# Altium PCB SINA33D3.0.PcbDoc (part 1 of 3) (continued)
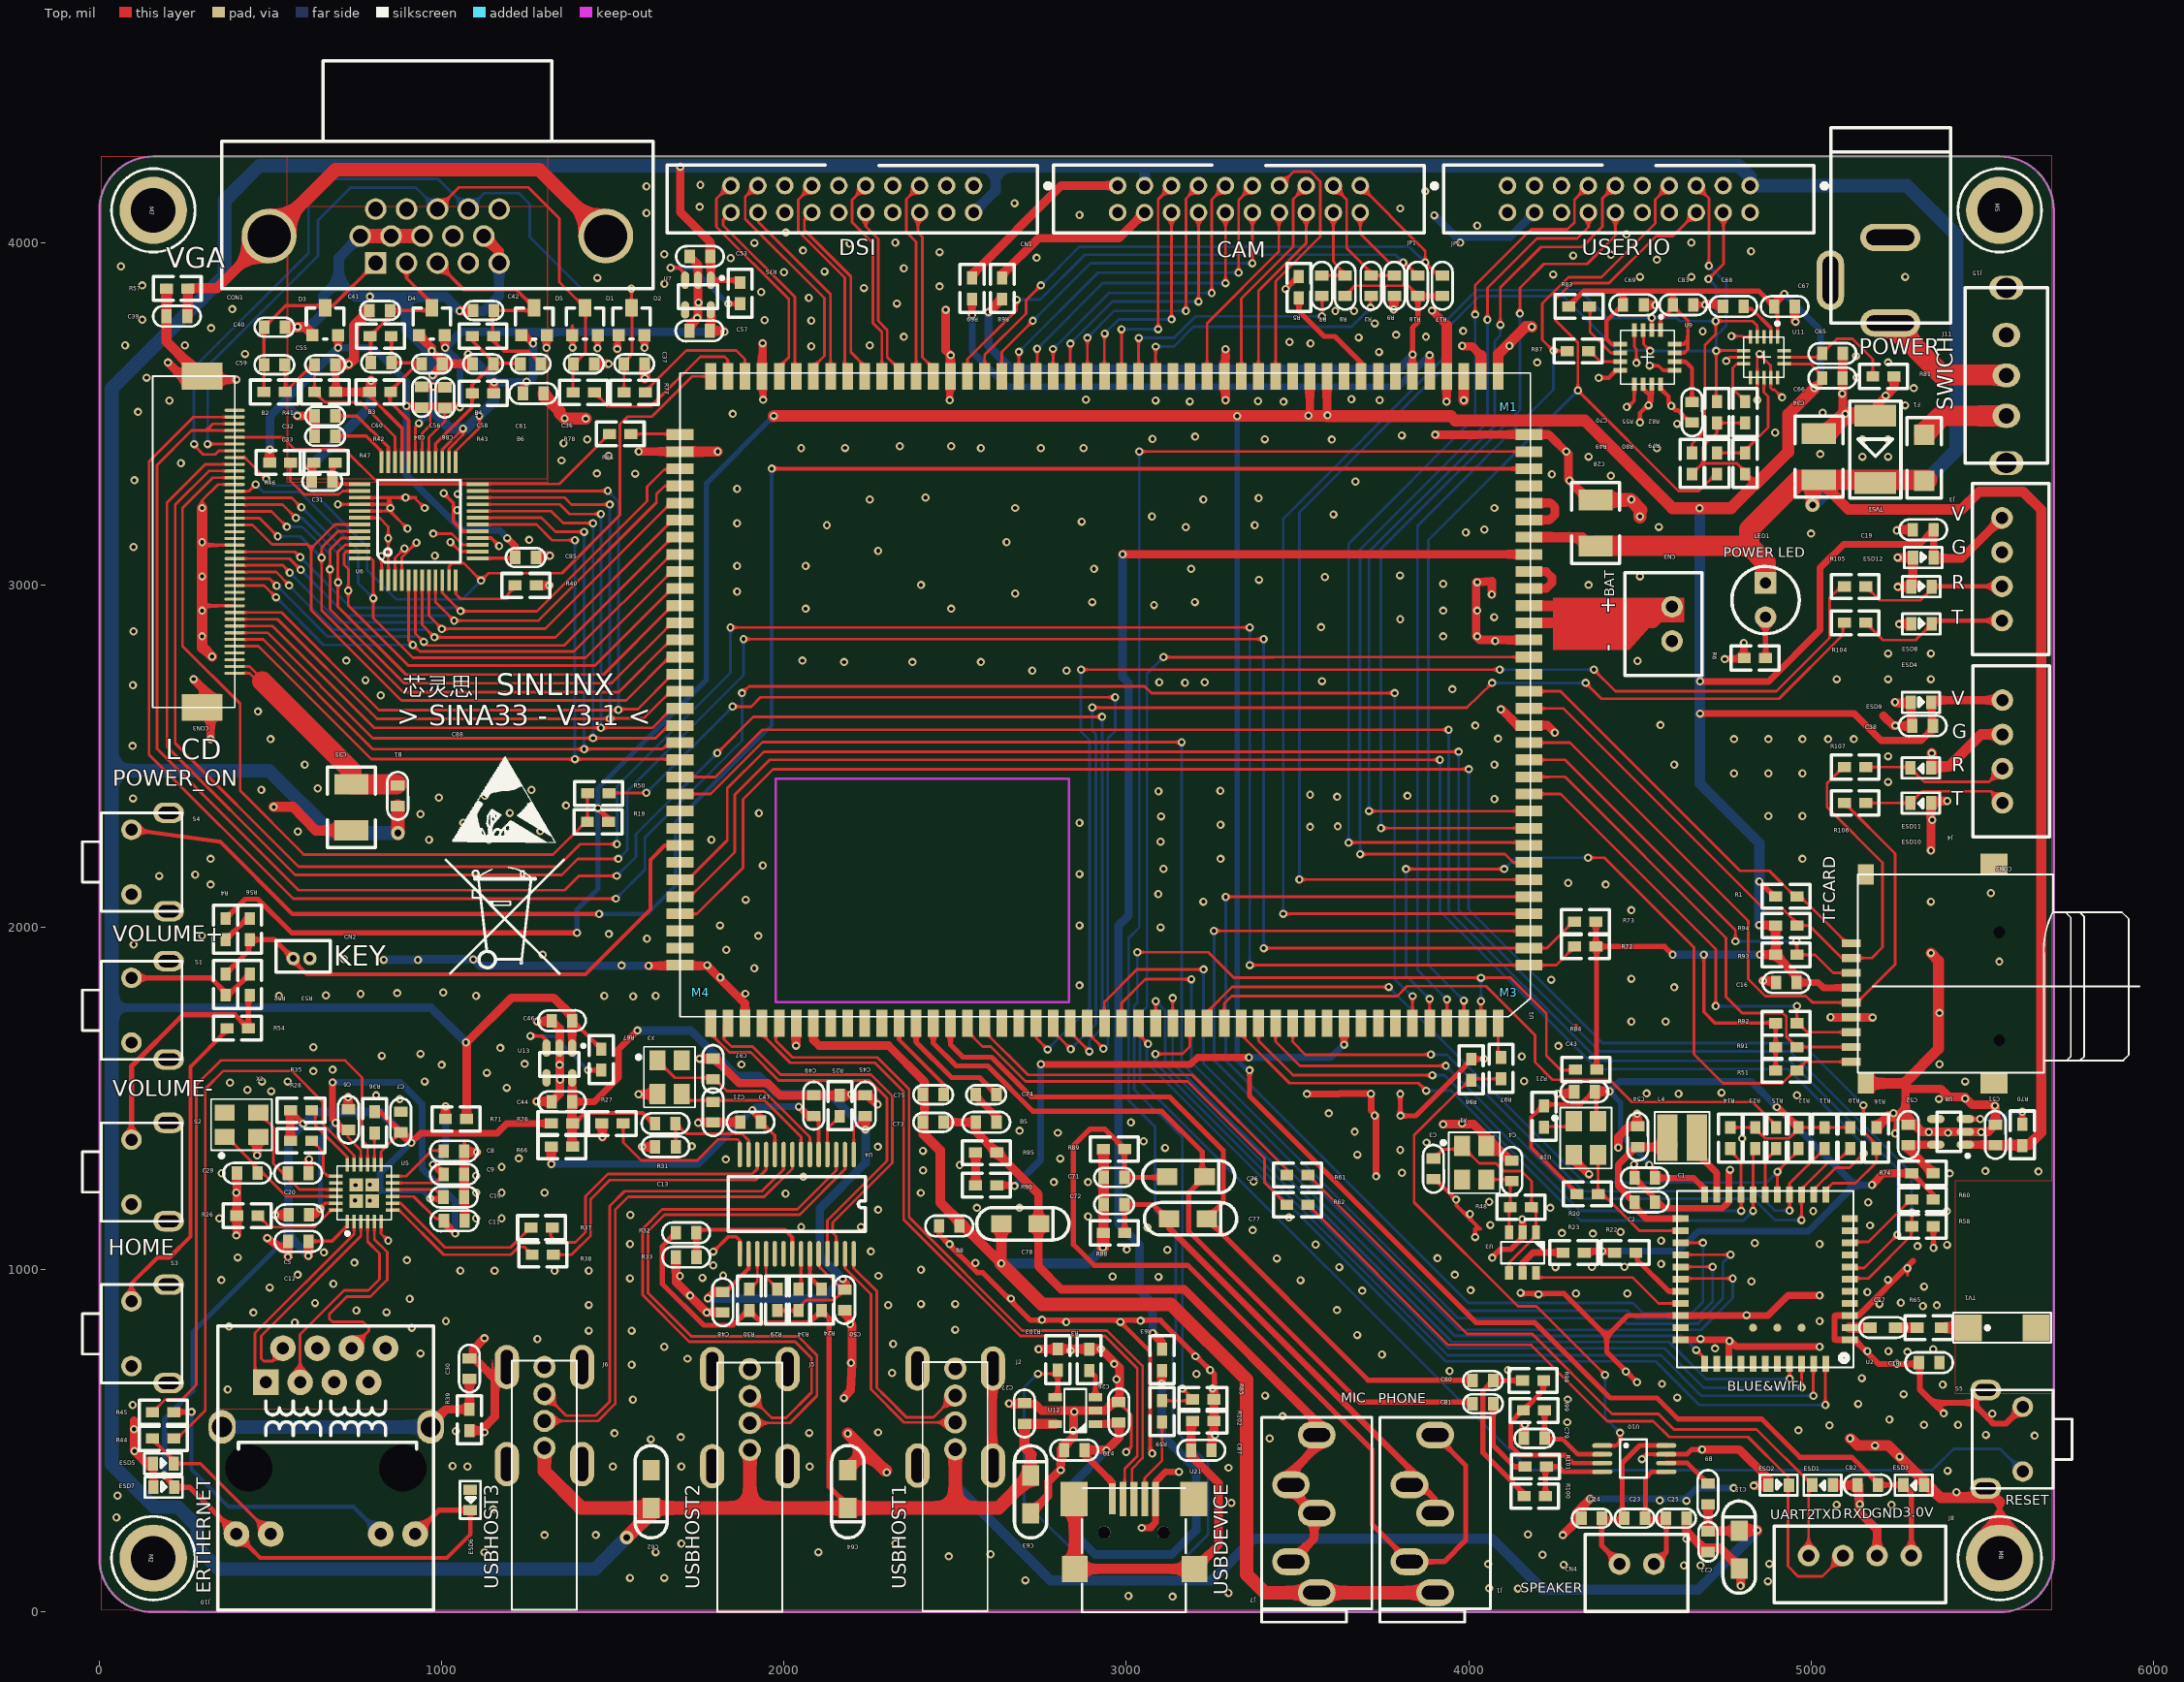
[diagram p0: Top view]
## Footprints (in the part's own frame and the unit in brackets; to place one, negate y for a bottom-side part, rotate by r counter-clockwise, add the part's x,y. Pads: shape width x height; smd on the part's side, far side on the other; paste and mask are expansions set on the pad) (continued)
ANTI [mm]
  rrect0% 2x2 smd: 1(0,0) 2(0,-5)
  silkscreen extent -1.09,-6.12 1.12,1.12
C_0603 [mm]
  rect 0.8x1 smd: 1(-0.77,0) 2(0.77,0)
  silkscreen extent -1.46,-0.7 1.47,0.7
CD35 [mil]
  rect 60.12x135.98 smd: 1(-43,0.06) 2(43,0.06)
  silkscreen extent -80,-75 80,75
CON2-2.0D [mm]
  round 1 hole 0.5: 1(-1.25,0) 2(0,0)
  silkscreen extent -2.5,-1 1.5,1.32
CON2-2.54D [mm]
  round 1.6 hole 0.9: 1(0,0) 2(2.54,0)
  silkscreen extent -2.54,-3.5 5.08,2.2
CON4-2.54D [mm]
  round 1.6 hole 0.9: 1(-5.08,0) 2(-2.54,0) 3(0,0) 4(2.54,0)
  silkscreen extent -7.62,-3.5 5.08,2.2
DO-214AB [mm]
  rect 1.6x3.1 smd: 1(-2.5,0) 2(2.5,0)
  silkscreen extent -3.6,-1.9 3.6,1.9
DWK07MM [mm]
  round 0 hole 0.7 unplated: 1(0,0)
FPC40 [mil]
  oval 9x60 smd: 1(0,0) 2(19.69,0) 3(39.37,0) 4(59.06,0) 5(78.74,0) 6(98.43,0) 7(118.11,0) 8(137.8,0) 9(157.48,0) 10(177.17,0) 11(196.85,0) 12(216.54,0) 13(236.22,0) 14(255.91,0) 15(275.59,0) 16(295.28,0) 17(314.96,0) 18(334.65,0) 19(354.33,0) 20(374.02,0) 21(393.7,0) 22(413.39,0) 23(433.07,0) 24(452.76,0) 25(472.44,0) 26(492.13,0) 27(511.81,0) 28(531.5,0) 29(551.18,0) 30(570.87,0) 31(590.55,0) 32(610.24,0) 33(629.92,0) 34(649.61,0) 35(669.29,0) 36(688.98,0) 37(708.66,0) 38(728.35,0) 39(748.03,0) 40(767.72,0)
  rect 78.74x118.11 smd: 41(-100,95) 42(867.72,95)
  silkscreen extent -100,0 868,240
HAND_LOGO_TOP [mil]
  silkscreen extent -117,-127 185,124
IDC20S [mm]
  round 1.3 hole 0.8: 1(0.01,-0.025) 2(0.01,1.975) 3(2.01,-0.025) 4(2.01,1.975) 5(4.01,-0.025) 6(4.01,1.975) 7(6.01,-0.025) 8(6.01,1.975) 9(8.01,-0.025) 10(8.01,1.975) 11(10.01,-0.025) 12(10.01,1.975) 13(12.01,-0.025) 14(12.01,1.975) 15(14.01,-0.025) 16(14.01,1.975) 17(16.01,-0.025) 18(16.01,1.975) 19(18.01,-0.025) 20(18.01,1.975)
  silkscreen extent -5.65,-1.55 22.76,3.47
JACK-2.5MM_B [mil]
  oval 175x80 hole 45 slot 140 at 0 deg: 1(0,0) 2(0,250)
  oval 80x175 hole 45 slot 140 at 90 deg: 3(-175,125)
  silkscreen extent -174,0 176,570
L3GD20HTR [mm]
  rect 0.35x1 smd paste-0.05: 1(0.975,2) 2(0.325,2) 3(-0.325,2) 4(-0.975,2) 9(-0.975,-2) 10(-0.325,-2) 11(0.325,-2) 12(0.975,-2)
  rect 1x0.35 smd paste-0.05: 5(-2,0.975) 6(-2,0.325) 7(-2,-0.325) 8(-2,-0.975) 13(2,-0.975) 14(2,-0.325) 15(2,0.325) 16(2,0.975)
  silkscreen extent -2,-2 2,3.1
LED_3MM [mm]
  rect 1.6x1.6 / inner round 1.6 / far side rect 1.6x1.6 hole 0.8: 1(0,1.27)
  round 1.6 hole 0.8: 2(0,-1.27)
  silkscreen extent -2.5,-2.5 2.5,2.5
LED_0603 [mil]
  rect 30x40 smd: 1(0.31,0.44) 2(60.31,0.44)
  silkscreen extent -25,-30 85,31
LGA-16 [mm]
  rect 0.25x1 smd: 1(1,1.5) 2(0.5,1.5) 3(0,1.5) 4(-0.5,1.5) 5(-1,1.5) 9(-1,-1.5) 10(-0.5,-1.5) 11(0,-1.5) 12(0.5,-1.5) 13(1,-1.5)
  rect 1x0.25 smd: 6(-1.5,0.5) 7(-1.5,0) 8(-1.5,-0.5) 14(1.5,-0.5) 15(1.5,0) 16(1.5,0.5)
  silkscreen extent -1.5,-1.5 1.5,2.6
LQFP48 [mm]
  rect 0.279x1.6 smd: 1(-2.75,-4.375) 2(-2.25,-4.375) 3(-1.75,-4.375) 4(-1.25,-4.375) 5(-0.75,-4.375) 6(-0.25,-4.375) 7(0.25,-4.375) 8(0.75,-4.375) 9(1.25,-4.375) 10(1.75,-4.375) 11(2.25,-4.375) 12(2.75,-4.375) 25(2.75,4.375) 26(2.25,4.375) 27(1.75,4.375) 28(1.25,4.375) 29(0.75,4.375) 30(0.25,4.375) 31(-0.25,4.375) 32(-0.75,4.375) 33(-1.25,4.375) 34(-1.75,4.375) 35(-2.25,4.375) 36(-2.75,4.375)
  rect 1.6x0.279 smd: 13(4.38,-2.745) 14(4.38,-2.245) 15(4.38,-1.745) 16(4.38,-1.245) 17(4.38,-0.745) 18(4.38,-0.245) 19(4.38,0.255) 20(4.38,0.755) 21(4.38,1.255) 22(4.38,1.755) 23(4.38,2.255) 24(4.38,2.755) 37(-4.38,2.755) 38(-4.38,2.255) 39(-4.38,1.755) 40(-4.38,1.255) 41(-4.38,0.755) 42(-4.38,0.255) 43(-4.38,-0.245) 44(-4.38,-0.745) 45(-4.38,-1.245) 46(-4.38,-1.745) 47(-4.38,-2.245) 48(-4.38,-2.745)
  round 0 all layers, no hole: 49(0,0) 50(0,0)
  silkscreen extent -3.05,-3.05 3.1,3.05
MEMO_HOLD_TFRPN_00815_TP01 [mm]
  rect 0.6x1.4 smd: 1(5.1,-0.5) 2(6.2,-0.5) 3(7.3,-0.5) 4(8.4,-0.5) 5(9.5,-0.5) 6(10.6,-0.5) 7(11.7,-0.5) 8(12.8,-0.5) 9(13.9,-0.5)
  rect 1.5x1.2 smd: 10(15.5,0.6) 11(0,0.6)
  rect 1.5x2 smd: 12(15.5,10.1) 13(-0.8,10.1)
  round 0.1 hole 0.889 unplated: 14(4.3,10.5) 15(12.3,10.5)
  silkscreen extent 0,0 14.7,20.9
OSC3225 [mm]
  rect 1.5x1.2 smd: 1(0,0) 2(2.5,1.8) 3(2.5,0) 4(0,1.8)
  silkscreen extent -1,-1.53 3.5,2.8
OSC3225A [mm]
  rect 1.5x1.2 smd: 1(0,0) 2(2.5,0) 3(2.5,1.8) 4(0,1.8)
  silkscreen extent -1,-1.53 3.5,2.8
OSC3225B [mm]
  rect 1.5x1.2 smd: 1(0,0) 2(2.5,0) 3(2.5,1.8) 4(0,1.8)
  silkscreen extent -1,-1.53 3.5,2.8
OSC3225C [mm]
  rect 1.5x1.2 smd: 1(0,0) 2(2.5,0) 3(2.5,1.8) 4(0,1.8)
  silkscreen extent -1,-1.53 3.5,2.8
PHONE1 [mm]
  oval 2x2.8 hole 1 slot 2 at 90 deg: 1(-11.7,0) 2(-2.3,-1.91) 3(-8,-1.91) 4(-5.9,0) 5(0,0)
  silkscreen extent -13,-4.09 2.18,4.09
QFN24 [mm]
  rect 0.25x1 smd paste-0.025: 1(1.25,2.1) 2(0.75,2.1) 3(0.25,2.1) 4(-0.25,2.1) 5(-0.75,2.1) 6(-1.25,2.1) 13(-1.25,-2.1) 14(-0.75,-2.1) 15(-0.25,-2.1) 16(0.25,-2.1) 17(0.75,-2.1) 18(1.25,-2.1)
  rect 1x0.25 smd paste-0.025: 7(-2.1,1.25) 8(-2.1,0.75) 9(-2.1,0.25) 10(-2.1,-0.25) 11(-2.1,-0.75) 12(-2.1,-1.25) 19(2.1,-1.25) 20(2.1,-0.75) 21(2.1,-0.25) 22(2.1,0.25) 23(2.1,0.75) 24(2.1,1.25)
  rrect0% 1x1 smd: 25(0.6,0.6) 26(-0.6,0.6) 27(-0.6,-0.6) 28(0.6,-0.6)
  silkscreen extent -2,-2 2,3.1
RJ-45A12 [mm]
  rect 1.905x1.905 hole 0.9: 1(0,0)
  round 1.905 hole 0.9: 2(-2.54,1.27) 3(0,2.54) 4(-2.54,3.81) 5(0,5.08) 6(-2.54,6.35) 7(0,7.62) 8(-2.54,8.89) 9(11.25,-2.18) 10(11.25,0.36) 11(11.25,8.53) 12(11.25,11.07)
  oval 2.5x2 hole 1.5: 13(3.3,-3.25) 14(3.3,12.23)
  round 3.302 hole 3.5: 15(6.35,-1.27) 16(6.35,10.16)
  silkscreen extent -4.19,-3.56 16.89,12.45
RST_KEY [mil]
  round 60 hole 35: 1(88.58,49.21) 2(88.58,238.19)
  oval 90x60 hole 35 slot 60 at 0 deg: 3(196.85,287.4) 4(196.85,0)
  silkscreen extent -55,0 236,287
RTL8723BS [mm]
  rect 1.2x0.5 smd: 1(-6.27,4.5) 2(-6.27,3.6) 3(-6.27,2.7) 4(-6.27,1.8) 5(-6.27,0.9) 6(-6.27,0) 7(-6.27,-0.9) 8(-6.27,-1.8) 9(-6.27,-2.7) 10(-6.27,-3.6) 11(-6.27,-4.5) 23(6.27,-4.5) 24(6.27,-3.6) 25(6.27,-2.7) 26(6.27,-1.8) 27(6.27,-0.9) 28(6.27,0) 29(6.27,0.9) 30(6.27,1.8) 31(6.27,2.7) 32(6.27,3.6) 33(6.27,4.5)
  rect 0.5x1.2 smd: 12(-4.5,-6.27) 13(-3.6,-6.27) 14(-2.7,-6.27) 15(-1.8,-6.27) 16(-0.9,-6.27) 17(0,-6.27) 18(0.9,-6.27) 19(1.8,-6.27) 20(2.7,-6.27) 21(3.6,-6.27) 22(4.5,-6.27) 34(4.5,6.27) 35(3.6,6.27) 36(2.7,6.27) 37(1.8,6.27) 38(0.9,6.27) 39(0,6.27) 40(-0.9,6.27) 41(-1.8,6.27) 42(-2.7,6.27) 43(-3.6,6.27) 44(-4.5,6.27)
  round 0.6 smd: 45(-2.7,3.6) 46(-0.9,3.6) 47(0.9,3.6)
  silkscreen extent -6.55,-6.55 6.55,6.55
SO8NB [mm]
  oval 0.35x1.5 smd: 1(-0.975,-2.375) 2(-0.325,-2.375) 3(0.325,-2.375) 4(0.975,-2.375) 5(0.975,2.375) 6(0.325,2.375) 7(-0.325,2.375) 8(-0.975,2.375)
  silkscreen extent -1.45,-1.04 1.4,0.91
SOT23 [mil]
  rect 36x36 smd: 1(-37.5,-80) 2(37.5,-80)
  rect 36x50 smd: 3(0,0)
  silkscreen extent -55,-91 55,-1
SOT23-6 [mm]
  rect 1.016x0.6 smd: 1(0,0) 2(0,1) 3(0,2) 4(-3,2) 5(-3,1) 6(-3,0)
  silkscreen extent -2.3,-0.6 -0.7,2.6
SOT-25 [mm]
  rect 1.016x0.6 smd: 1(0,0) 2(0,1) 3(0,2) 4(-3,2) 5(-3,0)
  silkscreen extent -2.3,-0.6 -0.7,2.6
SSOP28 [mil]
  oval 75x13 smd: 1(-145,166.4) 2(-145,140.8) 3(-145,115.2) 4(-145,89.6) 5(-145,64) 6(-145,38.4) 7(-145,12.8) 8(-145,-12.8) 9(-145,-38.4) 10(-145,-64) 11(-145,-89.6) 12(-145,-115.2) 13(-145,-140.8) 14(-145,-166.4) 15(145,-166.4) 16(145,-140.8) 17(145,-115.2) 18(145,-89.6) 19(145,-64) 20(145,-38.4) 21(145,-12.8) 22(145,12.8) 23(145,38.4) 24(145,64) 25(145,89.6) 26(145,115.2) 27(145,140.8) 28(145,166.4)
  silkscreen extent -80,-200 80,200
SW_PB5 [mil]
  oval 70x80 hole 45: 1(118.11,0) 2(0,0) 3(-118.11,0)
  oval 70x100 hole 60: 4(255.91,0) 5(-255.91,0)
  silkscreen extent -256,-120 256,120
USB$5C$S [mm]
  rect 0.508x2.3 smd: 1(1.6,-8.4)
  rect 0.508x2.54 smd: 2(0.8,-8.4) 3(0,-8.4) 4(-0.8,-8.4) 5(-1.6,-8.4)
  rect 2.032x2.54 smd: 6(4.445,-8.4) 9(-4.445,-8.4)
  rect 1.9x1.95 smd: 7(-4.5,-3.2) 8(4.4,-3.2)
  round 0.94 hole 0.94 unplated: 10(-2.2,-5.9) 11(2.2,-5.9)
  silkscreen extent -3.85,-9.2 3.85,0
USB-A8 [mil]
  round 65 hole 40: 1(0,-78.74) 2(0,0) 3(0,78.74) 4(0,157.48)
  oval 70.87x130 hole 35 slot 100 at 90 deg: 5(110,157.48) 6(-110,157.48) 7(-110,-125.98) 8(110,-125.98)
  silkscreen extent -95,-551 94,176
VGACONX [mm]
  rect 1.6x1.6 / inner round 1.6 / far side rect 1.6x1.6 hole 1.1: 1(4.58,0)
  round 1.6 hole 1.1: 2(2.29,0) 3(0,0) 4(-2.29,0) 5(-4.58,0) 6(5.725,-2) 7(3.435,-2) 8(1.145,-2) 9(-1.145,-2) 10(-3.435,-2) 11(4.58,-4) 12(2.29,-4) 13(0,-4) 14(-2.29,-4) 15(-4.58,-4)
  round 4.064 hole 3.2: 16(12.495,-2) 17(-12.495,-2)
  silkscreen extent -16,-14.99 16,1.9
XC6218B [mm]
  oval 0.6x1.3 smd: 1(-0.95,-1.1) 2(0,-1.1) 3(0.95,-1.1) 4(0.95,1.1) 5(-0.95,1.1)
  silkscreen extent -1.9,-1.39 1.45,1
YPK_158_1.27D [mm]
  rect 2x0.8 smd: 1(-60.71,-3.315) 2(-60.71,-4.585) 3(-60.71,-5.855) 4(-60.71,-7.125) 5(-60.71,-8.395) 6(-60.71,-9.665) 7(-60.71,-10.935) 8(-60.71,-12.205) 9(-60.71,-13.475) 10(-60.71,-14.745) 11(-60.71,-16.015) 12(-60.71,-17.285) 13(-60.71,-18.555) 14(-60.71,-19.825) 15(-60.71,-21.095) 16(-60.71,-22.365) 17(-60.71,-23.635) 18(-60.71,-24.905) 19(-60.71,-26.175) 20(-60.71,-27.445) 21(-60.71,-28.715) 22(-60.71,-29.985) 23(-60.71,-31.255) 24(-60.71,-32.525) 25(-60.71,-33.795) 26(-60.71,-35.065) 27(-60.71,-36.335) 28(-60.71,-37.605) 29(-60.71,-38.875) 30(-60.71,-40.145) 31(-60.71,-41.415) 32(-60.71,-42.685) 80(2.29,-42.685) 81(2.29,-41.415) 82(2.29,-40.145) 83(2.29,-38.875) 84(2.29,-37.605) 85(2.29,-36.335) 86(2.29,-35.065) 87(2.29,-33.795) 88(2.29,-32.525) 89(2.29,-31.255) 90(2.29,-29.985) 91(2.29,-28.715) 92(2.29,-27.445) 93(2.29,-26.175) 94(2.29,-24.905) 95(2.29,-23.635) 96(2.29,-22.365) 97(2.29,-21.095) 98(2.29,-19.825) 99(2.29,-18.555) 100(2.29,-17.285) 101(2.29,-16.015) 102(2.29,-14.745) 103(2.29,-13.475) 104(2.29,-12.205) 105(2.29,-10.935) 106(2.29,-9.665) 107(2.29,-8.395) 108(2.29,-7.125) 109(2.29,-5.855) 110(2.29,-4.585) 111(2.29,-3.315)
  rect 0.8x2 smd: 33(-58.42,-47) 34(-57.15,-47) 35(-55.88,-47) 36(-54.61,-47) 37(-53.34,-47) 38(-52.07,-47) 39(-50.8,-47) 40(-49.53,-47) 41(-48.26,-47) 42(-46.99,-47) 43(-45.72,-47) 44(-44.45,-47) 45(-43.18,-47) 46(-41.91,-47) 47(-40.64,-47) 48(-39.37,-47) 49(-38.1,-47) 50(-36.83,-47) 51(-35.56,-47) 52(-34.29,-47) 53(-33.02,-47) 54(-31.75,-47) 55(-30.48,-47) 56(-29.21,-47) 57(-27.94,-47) 58(-26.67,-47) 59(-25.4,-47) 60(-24.13,-47) 61(-22.86,-47) 62(-21.59,-47) 63(-20.32,-47) 64(-19.05,-47) 65(-17.78,-47) 66(-16.51,-47) 67(-15.24,-47) 68(-13.97,-47) 69(-12.7,-47) 70(-11.43,-47) 71(-10.16,-47) 72(-8.89,-47) 73(-7.62,-47) 74(-6.35,-47) 75(-5.08,-47) 76(-3.81,-47) 77(-2.54,-47) 78(-1.27,-47) 79(0,-47) 112(0,1) 113(-1.27,1) 114(-2.54,1) 115(-3.81,1) 116(-5.08,1) 117(-6.35,1) 118(-7.62,1) 119(-8.89,1) 120(-10.16,1) 121(-11.43,1) 122(-12.7,1) 123(-13.97,1) 124(-15.24,1) 125(-16.51,1) 126(-17.78,1) 127(-19.05,1) 128(-20.32,1) 129(-21.59,1) 130(-22.86,1) 131(-24.13,1) 132(-25.4,1) 133(-26.67,1) 134(-27.94,1) 135(-29.21,1) 136(-30.48,1) 137(-31.75,1) 138(-33.02,1) 139(-34.29,1) 140(-35.56,1) 141(-36.83,1) 142(-38.1,1) 143(-39.37,1) 144(-40.64,1) 145(-41.91,1) 146(-43.18,1) 147(-44.45,1) 148(-45.72,1) 149(-46.99,1) 150(-48.26,1) 151(-49.53,1) 152(-50.8,1) 153(-52.07,1) 154(-53.34,1) 155(-54.61,1) 156(-55.88,1) 157(-57.15,1) 158(-58.42,1)
  silkscreen extent -60.82,-47.24 2.29,0.5
ZPK [mm]
  round 5 hole 3.3: 1(0,0)
  silkscreen extent -3.1,-3.1 3.1,3.1

## Via types
v1: diameter 24, hole 12, Top to Bottom, 999 vias
v2: diameter 40, hole 20, Top to Bottom, 3 vias

## Nets (pads, with @x,y where several pads share a name; then routed paths per layer and width w, separated by ;. In a path a pad name is that pad's centre, name@x,y a point inside that pad or via, vN(x,y) a via of type N, cw(c..) or ccw(c..) an arc to the next point about the centre after c; other vN are vias at no path point)
$$$2638: F1.1 J15.3 | length 265.6
  Top w60: F1.1@5330.71,3439.16 5330.71,3444.49 5380.32,3494.1 J15.3@5570.48,3494.1
$$$2765: CON3.30 R19.1 R50.2 | length 2300.9
  Top w8: CON3.30@395.28,3313.39 330.91,3313.39 242.72,3225.2 242.72,2821.85 411.03,2653.55 411.03,2399.22 596.06,2214.18 596.06,2212.6 1325.2,2212.6 1420.87,2308.27 R19.1@1425.7,2308.27 1425.7,2390.16 R50.2@1426.88,2391.34
$$$3471: B1.2 C35.1 CON3.1 CON3.2 | length 766.3
  Top w8: CON3.1@395.28,2742.52 438.59,2742.52 472.45,2708.66 472.45,2716.14 475.2,2718.9 ; CON3.2@395.28,2762.21 438.59,2762.21 490.56,2710.24 490.56,2703.55
  Top w59.06: 475.2,2718.9 490.56,2703.55 735.83,2458.27 C35.1@735.83,2418.29
  Top w60: C35.1@735.83,2418.29 735.83,2418.11 B1.2@867.35,2418.11
$$$4689: R75.1 U7.3 | length 316.4
  Top w8: v1(1836.62,3821.26) v1@1836.72,3821.37
  Top w10: v1(1668.11,3926.77) 1693.31,3926.77 1711.03,3909.06 U7.3@1711.03,3890.16
  Top w12: v1@1836.72,3821.37 R75.1@1871.66,3821.37
  Bottom w15: v1(1668.11,3926.77) 1731.11,3926.77 v1(1836.62,3821.26)
$$$4924: C52.1 R74.2 U8.5 | length 193.7
  Top w8: C52.1@5284.21,1363.7 C52.1@5285.87,1365.36
  Top w23.62: C52.1@5285.87,1365.36 U8.5@5364.18,1365.36
  Top w25: C52.1@5284.21,1363.7 5283.08,1362.56 5283.08,1354.33 5302.84,1335.57 5302.92,1335.57 R74.2@5356.59,1281.89
$$$4925: R70.1 U8.3 | length 212.1
  Top w12: U8.3@5450.79,1440.16 v1(5494.09,1440.16)
  Top w15: R70.1@5617.32,1424.7 v1(5617.32,1461.42)
  Bottom w15: v1(5494.09,1440.16) 5561.42,1440.16 5582.28,1461.02 5616.93,1461.02 v1(5617.32,1461.42)
$$$4968: R25.2 U4.4 | length 127.1
  Top w8: U4.4@2126.61,1336.34 2126.61,1412.21 2162.54,1448.14 R25.2@2163,1448.14
$$$5097: R27.2 U4.14 | length 483.9
  Top w8: R27.2@1529.43,1427.17 1529.93,1405.41 1529.93,1372.05 1582.68,1319.29 1746.46,1319.29 1808.27,1381.11 1863.53,1381.11 1870.61,1374.02 U4.14@1870.61,1336.34
$$$5263: R29.2 U4.18 | length 124.3
  Top w8: U4.18@1947.41,1046.34 1947.41,977.56 1983.86,941.11 1982.16,941.11 R29.2@1980.71,942.81
$$$5264: R30.2 U4.17 | length 115.7
  Top w8: R30.2@1898.43,942.81 1898.43,941.58 1921.81,964.96 U4.17@1921.81,1046.34
$$$5837: R86.1 U1.80 | length 144.1
  Top w8: R86.1@1552.26,3441.34 1693.9,3441.34 U1.80@1695.67,3439.57
$$$5862: ESD5.2 J10.10 R44.2 | length 478.4
  Top w9.84: R44.2@155.22,507.48 156.31,510.71 156.31,503.15 ESD5.2@221.26,438.19 ; ESD5.2@221.26,438.17 ESD5.2@216.61,433.51 294.84,433.51 J10.10@500.4,227.96
$$$5922: J10.11 R45.2 | length 851.8
  Top w8: R45.2@217.22,583.86 R45.2@217.22,584.65
  Top w15.75: R45.2@217.22,584.65 v1(268.9,584.65)
  Bottom w11.81: v1(268.9,584.65) 268.9,416.54 377.95,307.48 742.53,307.48 J10.11@822.05,227.96
$$$6803: R77.1 U1.77 | length 404.9
  Top w8: R77.1@1594.39,3562.6 1594.39,3565.65 1714.18,3685.44 1859.85,3685.44 1885.83,3659.45 U1.77@1885.83,3609.45
$$$6804: R78.1 U1.78 | length 520.5
  Top w8: R78.1@1445.57,3562.6 1483.47,3524.7 1483.47,3521.66 1610.34,3521.66 1755.12,3666.44 1826.48,3666.44 1835.83,3657.09 U1.78@1835.83,3609.45
$$$8579: R52.1 R53.2 S1.2 | length 402.5
  Top w15: S1.2@93.7,1852.36 325.2,1852.36 R52.1@368.9,1808.67 ; R52.1@368.9,1802.07 R52.1@368.9,1808.67 ; R53.2@438.98,1864.07 374.51,1799.61 374.51,1803.05 372.2,1805.37 R52.1@368.9,1808.67
$$$8620: R53.1 R54.2 S2.2 | length 732.6
  Top w8: R53.1@434.94,1798.03 R53.1@438.98,1802.07
  Top w15: S2.2@93.7,1379.92 93.7,1557.48 93.7,1594.49 244.1,1744.88 395.57,1744.88 R54.2@434.94,1705.52 R53.1@434.94,1798.03
$$$8635: R54.1 S3.2 | length 934
  Top w12: S3.2@93.7,907.48 93.7,959.45 169.68,1035.44 204.34,1035.44 266.15,1097.25 266.15,1592.91 372.94,1699.71 R54.1@372.94,1705.52
$$$8848: R23.1 U3.5 | length 160.6
  Top w19.68: U3.5@4157.09,990.95 4157.09,1019.69 4188.19,1050.79 4274.91,1050.79 R23.1@4275.7,1050
$$$9315: R60.1 U2.9 | length 233.8
  Top w8: U2.9@5113,1078.74 5118.9,1078.74 5121.14,1080.99 5167.33,1080.99 5291.07,1204.73 R60.1@5294.59,1204.73
$$$9732: R15.1 U2.17 | length 147.7
  Top w8: U2.17@4866.15,1219.29 4866.15,1318.9 4896.85,1349.61 4896.85,1352.07 R15.1@4898.43,1353.65
$$$9891: R59.2 U21.4 | length 245.5
  Top w8: U21.4@3053.55,330.71 3053.55,363.71 3053.55,392.21 3104.33,442.99 3104.33,522.54 R59.2@3103.94,555.22
$$$9958: R40.1 U6.12 | length 242.8
  Top w8: U6.12@1040.95,3013.98 1040.95,2974.02 1055.52,2959.45 1190.16,2959.45 1190.16,2967.43 R40.1@1214.28,2998.82
$$$10463: L4.1 U2.21 | length 192.4
  Top w20: L4.1@4666.23,1385.77 4669.36,1385.77 4675.59,1379.53 4675.59,1331.89 4724.41,1283.07 U2.21@4724.41,1219.29
$$$10467: C2.2 C54.1 L4.2 U2.23 | length 512.1
  Top w20: C2.2@4484.22,1197.99 4484.74,1197.47 C2.2@4484.74,1196.16 ; C54.1@4493.66,1358.58 4488.5,1358.58 4437.01,1307.09 4437.01,1244.1 4465.64,1215.46 4465.64,1215.25 4483.57,1197.33 C2.2@4484.74,1196.16 ; U2.23@4619.3,1149.61 4518.51,1149.61 4484.74,1183.38 C2.2@4484.74,1196.16
  Top w25: C54.1@4493.66,1358.58 4598.82,1358.58 4598.82,1367.18 L4.2@4580.23,1385.77
$$$10563: R46.1 U6.38 | length 277
  Top w8: R46.1@558.96,3357.88 558.96,3353.15 558.08,3352.27 558.08,3304.33 598.04,3264.37 699.61,3264.37 710.24,3275 U6.38@760.24,3275
$$$10644: C31.2 R47.1 U6.37 | length 148.8
  Top w8: C31.2@681.11,3294.69 C31.2@681.11,3303.15 ; R47.1@681.11,3357.09 681.89,3357.88 R47.1@688.09,3357.88
  Top w10: C31.2@681.11,3294.69 U6.37@760.24,3294.69
  Top w15: C31.2@681.11,3303.15 R47.1@681.11,3357.09
$$$10940: C32.2 U6.35 | length 236.5
  Top w10: C32.2@689.37,3493.7 752.76,3493.7 844.1,3402.37 U6.35@844.1,3358.47
$$$10942: C33.2 U6.36 | length 185.4
  Top w10: C33.2@689.37,3434.26 690.16,3435.04 779.14,3435.04 824.41,3389.77 U6.36@824.41,3358.47
$$$11028: R20.1 U2.24 U18.3 | length 405.7
  Top w8: U18.3@4377.56,1335.44 4377.85,1335.14 R20.1@4377.85,1221.26 4384.66,1228.07 4498.56,1114.18 U2.24@4619.3,1114.18
$$$11083: R22.2 U2.29 | length 189.6
  Top w15: R22.2@4488.09,1050 4492.52,1048.72 4492.52,1028.35 4583.86,937.01 U2.29@4619.3,937.01
$$$11749: C68.1 U11.2 | length 132
  Top w10: C68.1@4802.84,3813.74 4810.28,3806.3 4827.17,3806.3 4881.89,3751.58 U11.2@4881.89,3724.41
$$$11930: R82.2 U11.8 | length 154.4
  Top w8: U11.8@4803.15,3645.67 4782.68,3645.67 4771.26,3634.26 4771.26,3573.23 4808.27,3536.22 4807.43,3535.39 4807.38,3535.33 4806.3,3534.26 R82.2@4807.48,3535.33
$$$12498: R79.2 R80.1 U11.11 | length 335.2
  Top w8: R80.1@4725.2,3386.12 R79.2@4807.48,3386.12 4807.48,3392.92 4874.41,3459.85 4874.41,3550.4 4863,3561.81 4863,3562.21 4862.21,3563 U11.11@4862.21,3606.3
$$$12547: LED1.2 R6.1 | length 119.2
  Top w8: LED1.2@4866.93,2906.11 LED1.2@4867.22,2905.82
  Top w15: R6.1@4867.22,2787.01 LED1.2@4867.22,2905.82
$$$12836: C65.2 R81.2 U11.15 | length 364.1
  Top w8: U11.15@4921.26,3665.36 5033.86,3665.36 5033.86,3675.08 C65.2@5032.61,3676.33 5075.18,3718.9 5120.87,3718.9 5180.42,3659.35 R81.2@5180.42,3609.45
$$$13018: R32.2 R33.1 U4.21 | length 415.4
  Top w11: R32.2@1743.78,1107.92 R32.2@1744.18,1107.52 ; R32.2@1744.18,1104.33 R32.2@1744.18,1107.52 ; U4.21@2024.21,1046.34 2024.21,1094.49 2002.37,1116.34 1747.25,1116.34 1744.18,1113.27 R32.2@1744.18,1107.52
  Top w15: R33.1@1744.18,1036.96 R32.2@1744.18,1104.33
$$$13123: R26.2 U5.24 | length 268.3
  Top w8: R26.2@462.89,1157.88 460.24,1155.22 460.24,1154.33 466.93,1154.33 496.46,1124.81 628.35,1124.81 678.35,1174.81 U5.24@690.95,1174.81
$$$13227: R28.2 U5.19 | length 146.8
  Top w8: R28.2@619.98,1376.77 653.55,1343.21 653.55,1287.01 667.33,1273.23 U5.19@690.95,1273.23
$$$13404: R35.2 U5.18 | length 202.6
  Top w8: R35.2@619.98,1465.75 620.48,1465.75 630.71,1455.52 630.71,1422.05 724.41,1328.35 U5.18@724.41,1306.7
$$$13731: R83.2 U9.6 | length 190.7
  Top w8: R83.2@4356.35,3810.88 4354.53,3809.06 4354.53,3738.98 4415.36,3678.15 U9.6@4443.31,3678.15
  Top w10: R83.2@4353.45,3813.78 R83.2@4356.35,3810.88
$$$13750: R36.1 U5.14 | length 92.9
  Top w8: U5.14@803.15,1306.7 803.15,1398.53 R36.1@803.94,1399.32
$$$13806: R87.2 U9.7 | length 105.8
  Top w8: R87.2@4350.3,3683.47 4353.35,3683.47 4384.26,3652.56 U9.7@4443.31,3652.56
$$$13968: C70.2 U9.14 | length 158.5
  Top w12: U9.14@4600.79,3652.56 4633.08,3652.56 4652.32,3633.32 C70.2@4652.32,3534.33
$$$14029: C71.2 C76.2 J1.1 J1.2 R89.1 | length 2719.6
  Top w8: R89.1@2994.1,1351.68 R89.1@2995.18,1352.76 ; C76.2@3111.42,1269.69 3113.62,1271.89 C76.2@3118.9,1271.89
  Top w15: R89.1@2994.1,1351.68 C71.2@2994.1,1269.69 C76.2@3111.42,1269.69 ; R89.1@2995.18,1352.76 2937.7,1410.24 2892.52,1410.24 2845.28,1363 2845.28,1073.63 2905.91,1013 3179.14,1013 3717.72,474.41 3717.72,256.3 J1.2@3826.78,147.25 3928.35,147.25 3991.34,210.24 3991.34,427.96 J1.1@3901.97,517.33
$$$14030: C72.2 C77.2 J1.3 J1.4 R88.1 | length 1443.5
  Top w8: C72.2@2994.1,1190.55 C72.2@2995.18,1189.48 ; C77.2@3124.81,1142.92 C77.2@3124.81,1149.05
  Top w15: C72.2@2994.1,1190.55 3077.17,1190.55 C77.2@3124.81,1142.92 ; R88.1@2995.18,1107.48 C72.2@2995.18,1189.48
  Top w18: C77.2@3124.81,1142.92 3124.81,1121.65 3835.44,411.02 J1.3@3835.44,395.67 ; J1.3@3826.78,371.66 3826.78,387.01 J1.3@3835.44,395.67 ; J1.4@3901.97,288.98 3901.97,329.14 3843.11,388 J1.3@3835.44,395.67
$$$14031: B5.2 C73.2 C78.1 J7.1 J7.2 J7.3 J7.4 R95.2 | length 2135.3
  Top w8: B5.2@2556.72,1430.71 B5.2@2558.66,1428.76
  Top w23.62: C73.2@2466.15,1430.71 B5.2@2556.72,1430.71
  Top w25: C73.2@2465.75,1430.71 C73.2@2466.15,1430.71 ; B5.2@2560.56,1430.66 2558.66,1428.76 2558.66,1405.02 R95.2@2621.56,1342.13 2742.92,1220.77 2742.92,1009.85 2810.04,942.72 3168.7,942.72 J7.1@3555.91,555.52 ; J7.2@3480.71,147.25 3548.43,214.96 3548.43,288.98 3477.56,359.85 3477.56,403.94 3563.39,489.77 3563.39,548.03 J7.1@3555.91,555.52 ; J7.1@3555.91,517.33 J7.1@3555.91,555.52
$$$14032: R90.2 R95.1 | length 95.3
  Top w25: R90.2@2559.56,1246.85 R95.1@2559.56,1342.13
$$$14033: B5.1 C74.1 | length 105.9
  Top w19.68: C74.1@2559.85,1511.42 2559.85,1507.87 2620.56,1447.24 B5.1@2620.56,1430.66
$$$14172: R38.1 U5.7 | length 481.2
  Top w8: U5.7@856.3,1174.81 874.81,1174.81 1005.91,1043.7 1201.97,1043.7 1224.81,1066.54 1241.45,1066.54 R38.1@1264.28,1043.7
$$$14173: R37.1 U5.8 | length 481.8
  Top w8: U5.8@856.3,1194.49 879.93,1194.49 1009.16,1065.26 1201.19,1065.26 1258.77,1122.84 R37.1@1260.74,1122.84
$$$14229: C20.2 U5.21 X2.3 | length 381.6
  Top w8: X2.3@464.18,1459.06 507.88,1415.36 507.88,1310.24 543.5,1274.62 584.26,1233.86 U5.21@690.95,1233.86
$$$14415: R96.2 R97.2 U10.1 | length 1555.4
  Top w8: R97.2@4094.49,1557.59 4011.42,1557.59 R96.2@4007.09,1553.26 4000.89,1553.26 3840.16,1392.52 3840.16,1196.86 4144.1,892.91 4198.03,892.91 v1(4398.43,692.52)
  Top w11.81: U10.1@4389.96,486.42 4431.1,486.42 4442.13,497.45 v1(4442.13,523.63)
  Bottom w8: v1(4398.43,692.52) 4398.43,567.33 v1(4442.13,523.63)
$$$14663: B9.1 U10.6 | length 146.9
  Top w13.78: U10.6@4576.97,435.24 4577.17,435.43 4638.72,435.43 B9.1@4698.87,375.28
$$$14911: C79.1 R99.1 U10.2 | length 270.9
  Top w13.78: C79.1@4229.23,504.92 4275.2,504.92 4319.29,460.83 U10.2@4389.96,460.83
  Top w15: R99.1@4221.56,588.98 4221.56,512.6 C79.1@4226.67,507.48 ; C79.1@4222.05,507.48 C79.1@4226.67,507.48 ; C79.1@4229.23,504.92 C79.1@4226.67,507.48
$$$14967: R98.1 R99.2 U10.3 | length 520.7
  Top w13.78: R99.2@4159.56,588.98 4156.7,588.98 4123.23,555.51 4123.23,484.06 4148.82,458.47 4281.1,458.47 4304.33,435.24 U10.3@4389.96,435.24
  Top w15: R99.2@4159.56,588.98 4218.11,647.54 4218.11,675.3 R98.1@4219.19,676.38
$$$14996: C80.1 R98.2 R100.1 | length 485.3
  Top w15: R98.2@4157.19,676.38 C80.1@4072.05,676.38 4041.74,646.07 4041.74,465.36 4161.92,345.18 R100.1@4161.92,338.59
$$$15025: C81.1 R101.1 | length 241.1
  Top w15: C81.1@4072.05,608.66 4072.05,486.22 4134.65,423.63 4135.83,424.81 R101.1@4164.28,424.81
$$$15027: R100.2 R101.2 U10.4 | length 257.2
  Top w8: R101.2@4226.28,421.17 R101.2@4226.28,424.81
  Top w13.78: R101.2@4226.28,424.81 4226.48,424.61 4262.2,424.61 4277.17,409.65 U10.4@4389.96,409.65
  Top w15: R100.2@4223.92,338.59 4223.92,418.81 R101.2@4226.28,421.17
$$$16244: R4.2 R56.2 | length 95.8
  Top w8: R56.2@430.9,2025.89 R56.2@438.98,2025.89
  Top w15: R4.2@368.9,1963.89 R56.2@430.9,2025.89
$$$18573: C87.2 R102.1 U21.6 U21.7 U21.8 | length 1050.6
  Top w25: R102.1@3193.02,557.87 3188.91,548.25 C87.2@3188.91,472.79 3188.91,456.77 3268.9,376.77 3268.9,195.67 U21.7@3199.22,125.99
  Top w30: U21.8@2848.83,125.99 U21.7@3199.22,125.99
  Top w35: U21.6@2847.05,330.71 2848.83,328.94 U21.8@2848.83,125.99
$$$19386: C39.2 CON1.16 CON1.17 R57.1 | length 1531.1
  Top w8: C39.2@256.37,3785.09 C39.2@258.17,3783.29
  Top w30: C39.2@258.17,3783.29 R57.1@258.17,3866.14 271.26,3866.14 272.45,3867.33 343.51,3867.33 CON1.16@495.48,4019.29
  Top w40: CON1.16@495.48,4019.29 689.96,4213.78 1284.85,4213.78 CON1.17@1479.33,4019.29
$$$19609: JP1.3 R2.1 R9.2 | length 379.6
  Top w8: JP1.3@3604.34,4166.74 3643.7,4125.81 3643.7,3983.6 3718.75,3908.55 R2.1@3718.9,3908.4 ; R2.1@3714.62,3904.42 3718.6,3908.4 R2.1@3718.9,3908.4 ; R9.2@3783.03,3904.01 3782.62,3904.42 3718.9,3904.42 R2.1@3718.9,3908.4
$$$19611: JP1.4 R7.1 R8.1 | length 273.4
  Top w8: R7.1@3570.92,3904.42 R8.1@3639.03,3904.42 ; JP1.4@3604.34,4088 3604.34,3946.19 R8.1@3639.03,3904.42 ; R8.1@3644.89,3911.5 R8.1@3639.03,3904.42
$$$20535: ESD1.2 J8.1 R61.1 | length 2058.8
  Top w8: R61.1@3530.61,1276.77 3995.17,812.2 4122.44,812.2 4122.75,812.52 4185.83,812.52 4419.21,579.13 4553.94,579.13 4599.21,533.86 4840.83,533.86 ESD1.2@5003.47,371.21 4992.91,360.65 J8.1@4992.91,164.96
$$$20537: ESD2.2 J8.2 R62.1 | length 2195.8
  Top w8: R62.1@3530.61,1189.76 3940.06,780.31 4181.89,780.31 4404.33,557.87 4538.98,557.87 4585.43,511.42 4815.75,511.42 4932.68,394.49 4932.68,134.06 4961.81,104.92 5032.87,104.92 J8.2@5092.91,164.96 ; J8.2@5104.72,143.7 J8.2@5109.45,148.43
$$$22186: C14.1 C26.1 R63.1 U12.1 U21.1 | length 1612.8
  Top w8: C26.1@2970.03,551.18 C26.1@2977.91,553.46 ; R63.1@3103.15,705.22 R63.1@3103.94,706.01
  Top w20: C14.1@2877.64,473.18 2875.2,470.74 2875.2,462.6 2959.06,378.74 U21.1@2959.06,330.71
  Top w23.62: U12.1@2909.61,549.21 C26.1@2968.11,549.21
  Top w25: C14.1@2877.64,473.18 2883.07,473.18 2883.49,473.6 2940.57,473.6 v1(2941.73,472.44) 2968.11,498.82 2979.53,510.24 2979.53,551.84 C26.1@2977.91,553.46 ; v1(3103.15,667.72) R63.1@3103.15,705.22
  Bottom w25: v1(2941.73,472.44) 2842.52,373.23 2842.52,234.25 2908.66,168.11 3132.28,168.11 3203.54,239.37 3203.54,418.5 3103.15,518.9 v1(3103.15,667.72)
$$$23077: R67.1 U13.3 | length 324.6
  Top w8: v1(1427.56,1582.68) v1@1427.67,1582.78
  Top w10: v1(1258.67,1683.07) 1293.31,1683.07 1306.3,1670.08 U13.3@1306.3,1647.25
  Top w12: v1@1427.67,1582.78 R67.1@1465.75,1582.78
  Bottom w10: v1(1258.67,1683.07) 1327.17,1683.07 v1(1427.56,1582.68)
$$$25279: J11.1 J15.2 | length 402.4
  Top w60: J11.1@5231.5,3765.36 5383.47,3613.39 5569.3,3613.39 J15.2@5570.48,3612.21
$$$25349: C3.1 R48.2 U3.1 U3.4 X1.1 | length 659.7
  Top w8: C3.1@3896.9,1324.89 3923.98,1351.97 3989.77,1351.97 4030.71,1311.03 4079.53,1311.03 4102.37,1288.19 4153.55,1288.19 4183.37,1258.37 R48.2@4183.37,1182.68 ; U3.4@4117.72,990.95 4117.72,1020.48 4196.46,1099.22 U3.1@4196.46,1109.06 4196.46,1184.65 4185.34,1184.65 R48.2@4183.37,1182.68 ; R48.2@4175.99,1182.68 R48.2@4183.37,1182.68
$$$26626: R24.2 U4.23 | length 117.6
  Top w12: U4.23@2075.41,1046.34 2075.41,978.74 2109.45,944.7 R24.2@2109.45,942.81
$$$26789: R34.2 U4.22 | length 118.3
  Top w8: R34.2@2042.13,942.81 2044.8,942.81 R34.2@2049.81,937.8
  Top w10: R34.2@2049.81,937.8 U4.22@2049.81,1046.34
$$$27532: R65.1 TV1.1 | length 79.6
  Top w31.5: R65.1@5380.43,830.71 5459.45,830.71 TV1.1@5459.84,830.31
$$$27533: C17.1 U2.2 | length 59.3
  Top w31.5: U2.2@5113,830.71 5113.43,831.15 C17.1@5172.13,831.15
$$$27534: C17.2 R65.2 | length 62.8
  Top w31.5: C17.2@5246.93,831.15 5309.13,831.15 R65.2@5309.57,830.71
$$$29214: JP1.18 R68.1 | length 500.9
  Top w25: R68.1@2637.4,3897.14 2637.4,3907.48 2742.92,4013 2978.15,4013 JP1.18@3053.16,4088
$$$29215: JP1.19 R69.1 | length 542.3
  Top w25: R69.1@2548.82,3897.14 2548.82,3905.72 2809.85,4166.74 JP1.19@2974.42,4166.74
$$$29808: C4.1 R48.1 U3.3 X1.2 | length 232
  Top w8: X1.2@4051.58,1263.39 4121.13,1263.39 C4.1@4125.94,1258.58 4121.37,1254.01 R48.1@4121.37,1185.44 ; U3.3@4117.72,1109.06 4117.72,1181.79 R48.1@4121.37,1185.44 ; R48.1@4121.37,1182.68 R48.1@4121.37,1185.44
$$$30108: R21.1 U18.1 | length 112.4
  Top w8: R21.1@4220.08,1416.64 4221.56,1418.11 4311.42,1418.11 4311.42,1433.86 U18.1@4306.7,1433.86
$$$31239: C30.2 J10.13 J10.14 R39.1 | length 837.1
  Top w8: R39.1@1080.71,592.42 R39.1@1080.76,592.47
  Top w25: J10.14@967.72,540.95 967.72,548.33 1011.82,592.42 R39.1@1080.71,592.42 ; R39.1@1080.76,592.47 C30.2@1080.76,681.43
  Bottom w39.37: J10.13@358.27,540.95 J10.14@967.72,540.95
$$$32325: C29.2 U5.22 X2.1 | length 397.3
  Top w8: X2.1@365.75,1388.19 371.66,1388.19 545.67,1214.18 U5.22@690.95,1214.18
$$$32584: R3.2 U12.3 | length 85.9
  Top w15: R3.2@2891.34,706.01 2891.79,706.01 2909.61,688.19 U12.3@2909.61,627.95
ADIOB: B4.2 C42.2 C61.1 CON1.3 D5.3 | length 727.7
  Top w10: CON1.3@987.41,3940.55 1065.75,3862.21 1217.72,3862.21 D5.3@1270.08,3809.85 1270.48,3809.45 1270.48,3801.97 C42.2@1151.97,3801.97 ; C42.2@1156.7,3797.25 C42.2@1151.97,3801.97 ; C61.1@1290.16,3646.07 1253.15,3683.07 1181.11,3683.07 1149.22,3714.96 1149.22,3799.22 C42.2@1151.97,3801.97
ADIOG: B3.2 C41.2 C60.1 CON1.2 D4.3 | length 466.2
  Top w10: C60.1@792.52,3649.22 792.52,3724.52 B3.2@790.26,3726.77 848.43,3784.94 848.43,3800.79 C41.2@849.61,3801.97 966.15,3801.97 966.15,3804.73 D4.3@971.26,3809.85 971.26,3822.44 897.25,3896.46 CON1.2@897.25,3940.55
ADIOR: B2.2 C40.2 C59.1 CON1.1 D3.3 | length 605.2
  Top w8: C40.2@480.42,3757.09 481.5,3756.01 481.5,3753.55 C40.2@481.5,3753.15 ; D3.3@659.45,3809.85 658.27,3811.03 D3.3@660.24,3813
  Top w10: B2.2@480.42,3563.78 C40.2@480.42,3757.09 ; C40.2@481.5,3753.55 543.9,3815.95 682.48,3815.95 CON1.1@807.09,3940.55
AGND: B8.1 C71.1 C72.1 C73.1 C75.1 C78.2 J1.5 J7.5 R88.2 R89.2 U1.118 | length 3780.1
  Top w8: B8.1@2512.69,1127.91 B8.1@2524.85,1127.91 ; R88.2@2931.5,1105.81 R88.2@2933.18,1107.48
  Top w25: U1.118@2085.83,1719.69 2085.83,1671.26 2102.37,1654.73 2304.73,1654.73 2410.24,1549.22 C73.1@2410.24,1442.13
  Top w29.53: C73.1@2407.87,1442.13 2407.87,1396.46 2456.3,1348.03 2456.3,1196.46 2518.77,1133.99 2524.85,1127.91 v1(2634.65,1018.11)
  Top w30: v1(2634.65,1018.11) C78.2@2634.65,1134.09 ; R88.2@2933.18,1107.48 R89.2@2933.18,1352.76
  Top w35: v1(2931.5,1064.18) R88.2@2931.5,1105.81
  Top w39.37: v1(2634.65,1018.11) 2753.55,899.21 3130.32,899.21 3350.79,678.74 3350.79,110.63 3404.72,56.7 J7.5@3555.91,56.7 J1.5@3901.97,56.7
  Bottom w30: v1(2634.65,1018.11) 2885.44,1018.11 v1(2931.5,1064.18)
AP-UART1-CTS: U1.139 U2.41 | length 2492.8
  Top w8: v1(3135.44,1793.7) 3135.44,1719.69 U1.139@3135.83,1719.69 ; U2.41@4937.01,725.59 4937.41,725.2 v1(4937.41,681.11)
  Bottom w8: v1(3135.44,1793.7) 3135.44,1604.33 3950.79,788.98 4585.04,788.98 4692.92,681.11 v1(4937.41,681.11)
AP-UART1-RTS: U1.137 U2.44 | length 2645.4
  Top w8: U1.137@3035.83,1719.69 3035.83,1687 v1(3063.39,1659.45) ; v1(5041.74,605.12) 5041.74,725.2 U2.44@5043.31,725.59
  Bottom w8: v1(3063.39,1659.45) 3059.65,1655.71 3059.65,1605.32 3932.68,732.29 4546.46,732.29 4673.63,605.12 v1(5041.74,605.12)
AP-UART1-RX: U1.138 U2.42 | length 2581.7
  Top w8: U1.138@3085.83,1719.69 v1(3085.83,1784.26) ; v1(4972.45,655.52) U2.42@4972.45,725.59
  Bottom w8: v1(3085.83,1784.26) 3113,1757.09 3113,1598.43 3940.95,770.48 4571.66,770.48 4686.62,655.52 v1(4972.45,655.52)
AP-UART1-TX: U1.140 U2.43 | length 2653
  Top w8: v1(3084.65,1630.32) 3164.18,1630.32 3185.83,1651.97 U1.140@3185.83,1719.69 ; v1(5006.7,631.89) 5006.7,740.55 5007.88,739.77 U2.43@5007.88,725.59
  Bottom w8: v1(3084.65,1630.32) 3084.65,1604.33 3938.98,750 4561.42,750 4679.53,631.89 v1(5006.7,631.89)